# KiCad board KiBoxLite_H.kicad_pcb (continued)
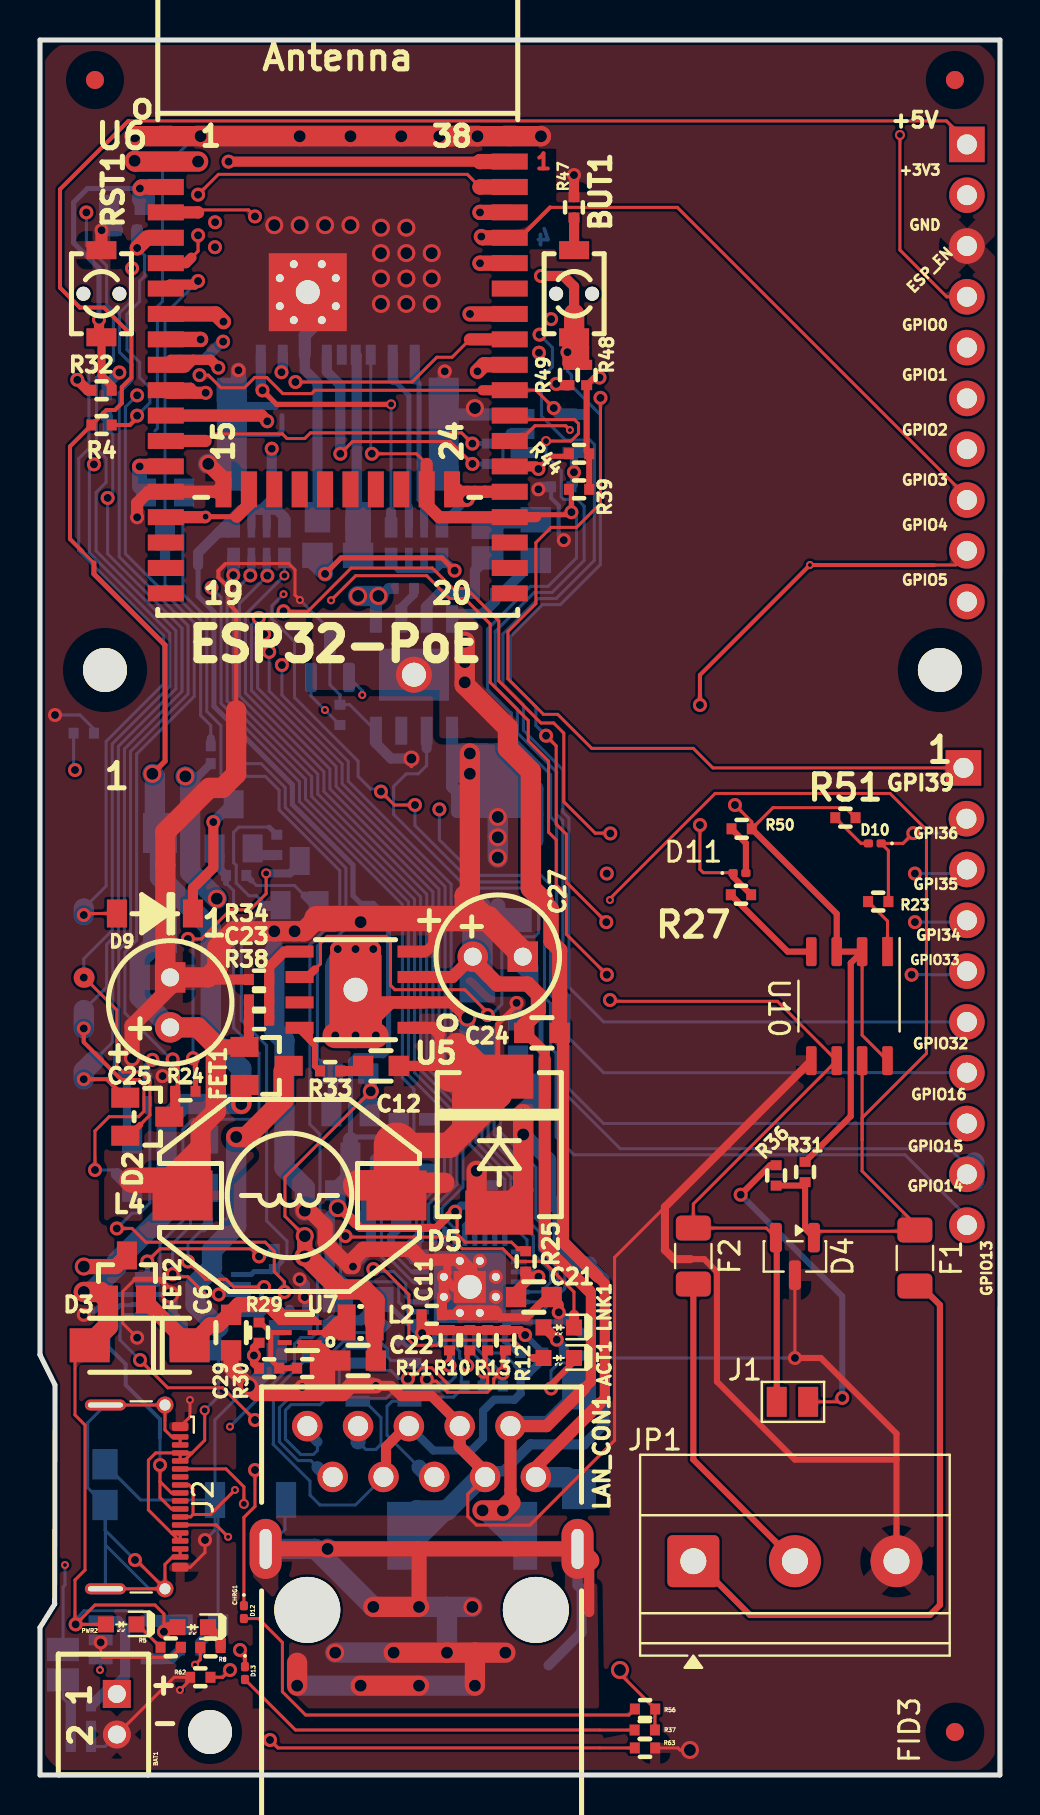
[diagram p0: board, top side]
## Routing (per net, layer and track width the routed paths; a pad name or vN(x,y) marks a point on that pad's centre or on a via; arc(x,y) is an arc through that point) (continued)
/GPIO12\PHY_PWR: length 2.7
  Top w0.762: v1(4.98,65.43) 4.99,65.43 U6.14
  Bottom w0.762: T1.1 4.98,64.44 v1(4.98,65.43)
/GPIO13\I2C-SDA: length 70.8
  Top w0.152: v1(18.75,48.5) 17.72,48.5 v1(17.05,49.17)
  Top w0.254: 9.84,62.92 v5(8.28,62.92)
  Top w0.61: 9.84,62.92 10.44,63.52 U6.16 ; v5(8.28,62.92) 8.25,62.89 U6.16
  In2.Cu w0.152: v5(8.28,62.92) 8.28,60.5 9.74,59.04 v4(12.18,59.04)
  Bottom w0.152: 46.77,27.49 43.26,31.01 26.7,31.01 25.81,31.9 25.81,36.09 25.53,36.37 25.53,38.57 25.23,38.88 25.23,44.17 24.75,44.65 21.57,44.65 18.75,47.47 v1(18.75,48.5) ; v4(12.18,59.04) 11.6,58.46 11.6,57.8 12.73,56.66 12.73,53.87 13.11,53.49 13.11,53.49 15.91,50.69 15.91,49.93 16.54,49.3 16.92,49.3 v1(17.05,49.17)
/GPIO14\HS2_CLK: length 80.1
  Top w0.152: 8.28,66.7 8.63,67.05 12.12,67.05 12.35,66.82 13.24,66.82 13.52,67.11 21.08,67.11 v1(21.62,66.57)
  Top w0.61: U6.13 8.28,66.7
  In2.Cu w0.152: v1(19.97,48.28) 19.97,48.41 20.73,49.17 21.88,49.17 22.38,49.68 22.38,52.47 23.07,53.16 23.07,65.25 21.75,66.57 v1(21.62,66.57)
  Bottom w0.152: v1(19.97,48.28) 19.97,46.76 21.75,44.98 25.05,44.98 25.53,44.5 25.53,39.01 25.83,38.7 25.83,36.58 26.12,36.29 26.12,34.21 29.01,31.31 45.49,31.31 46.77,30.03 46.77,30.58 46.72,30.63
  Bottom w0.254: R40.1 v1(21.62,66.57)
  Bottom w1.016: 46.72,30.63 46.72,29.71
/GPIO15\HS2_CMD: length 72.8
  Top w0.152: 19.33,65.55 18.83,66.06 v1(16.59,66.06)
  Top w0.254: 24.8,62.89 24.92,63.01 26.45,63.01 v1(26.57,63.14) 26.57,64.16 R39.2
  Top w0.508: 24.8,62.89 U6.23
  Top w0.61: 19.33,65.55 19.33,63.52 19.97,62.89 23.14,62.89 23.14,62.89 U6.23
  Bottom w0.152: v1(16.59,66.06) 16.54,66.11 16.54,71.01 ; v1(26.57,63.14) 26.83,62.89 26.83,60.86 25.41,59.43 24.52,59.43 22.38,57.3 22.38,54.28 23.56,53.1 23.56,51.98 25.53,50.01 25.53,47.9 25.84,47.59 25.84,39.14 26.14,38.83 26.14,36.73 26.45,36.42 26.45,34.31 28.18,32.57 46.77,32.57
/GPIO16\I2C-SCL: length 85.4
  Top w0.152: v5(25.3,66.7) 26.55,66.7 26.93,67.07 26.93,67.57 26.73,67.77 23.69,67.77 U6.27
  In1.Cu w0.152: v1(24.95,71.11) 24.6,70.76 10.65,70.76 9.74,71.67 v1(9.16,71.67)
  In2.Cu w0.152: v5(25.3,66.7) 25.3,67.64 24.95,68 v1(24.95,71.11)
  Bottom w0.152: v5(25.3,66.7) 25.3,65.97 26.07,65.21 26.07,63.9 26.19,63.78 26.87,63.78 27.21,63.44 27.21,60.73 25.61,59.13 24.72,59.13 22.76,57.17 22.76,54.4 23.87,53.3 23.87,52.11 25.84,50.14 25.84,48.03 26.14,47.72 26.14,39.26 26.45,38.96 26.45,36.85 28.18,35.11 46.77,35.11
  Bottom w0.508: v1(9.16,71.67) 9.1,71.67 8.19,70.76 R45.2
/GPIO17\EMAC_CLK_OUT_180: length 72.8
  Top w0.152: 22.13,69.24 13.75,69.24 13.58,69.07 12.14,69.07 11.34,69.87 10.73,69.87 10.22,69.36 9.05,69.36 8.42,69.99 v1(7.98,69.99) ; v1(25.69,68.35) 24.8,69.24 U6.28
  Top w0.508: 23.53,69.24 22.13,69.24
  In2.Cu w0.152: v1(8.58,59.37) 7.7,60.24 7.7,69.72 v1(7.98,69.99)
  Bottom w0.152: 18.95,24.71 18.59,24.71 ; U4.5 18.64,24.66 17.62,25.68 17.3,25.68 17.07,25.9 17.07,28.24 17.43,28.6 18.06,28.6 18.7,29.23 18.7,34.29 18.12,34.87 18.12,43.53 12.97,48.68 12.97,49.66 9.05,53.59 9.05,58.89 v1(8.58,59.37)
  Bottom w0.61: v1(25.69,68.35) 26.01,68.03 U8.4
/GPIO18\MDIO(RMII): length 61.9
  Top w0.152: v1(12.77,69.65) 18.6,69.65 19.84,70.89 20.61,70.89 21.5,71.78
  Top w0.61: U6.30 21.5,71.78
  In2.Cu w0.152: v5(12.22,59.97) 12.22,69.1 v1(12.77,69.65)
  Bottom w0.152: RM2.4.2 v5(12.22,59.97) 10.27,58.02 10.27,54.09 14.19,50.17 14.19,49.18 19.34,44.04 19.34,35.37 21.8,32.92 21.8,31.65 23.55,29.89 23.55,27.73 23.24,27.43
  Bottom w0.254: 23.24,27.43 U4.16
/GPIO19\EMAC_TXD0(RMII): length 84.6
  Top w0.762: v1(21.5,73.05) U6.31
  In1.Cu w0.152: v1(8.75,76.39) 9.43,77.07 9.43,78.25 9.81,78.64 18.38,78.64 21.24,75.78 21.24,75.08 21.75,74.57 21.75,73.62 21.75,73.62 21.75,73.43 21.5,73.18 v1(21.5,73.05)
  In2.Cu w0.152: v1(8.75,76.39) 8.75,74.63 6.48,72.36 6.48,59.31 9.64,56.16 v1(11.46,56.16)
  Bottom w0.152: v1(11.46,56.16) 11.46,54.2 15.11,50.55 15.11,49.56 20.25,44.42 20.25,35.76 22.71,33.3 22.71,32.03 24.48,30.26 24.48,27.64 24.97,27.15 24.97,26.26 25.89,25.35 25.89,24.48 25.06,23.66 24.4,23.66
  Bottom w0.254: 24.4,23.66 U4.22
/GPIO21\EMAC_TX_EN(RMII): length 82.2
  Top w0.762: U6.33 22.01,75.59 v1(22,75.59)
  In1.Cu w0.152: v1(22,75.59) 18.65,78.94 9.61,78.94 8.76,78.09 v1(8.76,77.64)
  In2.Cu w0.152: v1(8.76,77.64) 9.33,77.07 9.33,74.78 6.79,72.24 6.79,59.44 9.18,57.05 v1(11.21,57.05)
  Bottom w0.152: 24.41,24.16 25.05,24.16 25.53,24.63 25.53,25.19 24.67,26.06 24.67,26.95 24.17,27.44 24.17,30.14 22.41,31.9 22.41,33.17 19.95,35.63 19.95,44.29 14.8,49.44 14.8,50.43 10.88,54.35 10.88,56.72 v1(11.21,57.05)
  Bottom w0.254: 24.41,24.16 U4.21
/GPIO22\EMAC_TXD1(RMII): length 84.1
  Top w0.152: v1(7.91,79.02) 8.92,80.03 21.37,80.03 22,79.4
  Top w0.762: 22,79.4 22.01,79.4 U6.36
  In2.Cu w0.152: v1(12.1,55.5) 12.08,55.52 9.84,55.52 6.18,59.18 6.18,72.49 6.89,73.2 6.89,77.3 7.91,78.32 v1(7.91,79.02)
  Bottom w0.152: 24.39,23.16 25.07,23.16 26.24,24.33 26.24,25.5 25.28,26.46 25.28,27.35 24.8,27.84 24.8,30.38 23.02,32.15 23.02,33.42 20.56,35.88 20.56,44.54 15.41,49.69 15.41,50.68 12.1,54 v1(12.1,55.5)
  Bottom w0.254: 24.39,23.16 U4.23
/GPIO23\MDC(RMII): length 78.7
  Top w0.508: v1(9.43,80.67) 22,80.67
  Top w0.762: U6.37 22.01,80.67 22,80.67
  In2.Cu w0.152: v1(10.94,57.85) 8.8,57.85 7.09,59.56 7.09,72.11 9.63,74.65 9.63,77.58 9.43,77.78 v1(9.43,80.67)
  Bottom w0.152: v1(10.94,57.85) 10.58,57.49 10.58,54.22 14.5,50.3 14.5,49.31 19.64,44.16 19.64,35.5 22.1,33.04 22.1,31.77 23.86,30.02 23.86,27.25 24.35,26.76 24.35,26.37 24.29,26.31
  Bottom w0.254: U4.17 24.13,26.16 24.29,26.31
/GPIO25\EMAC_RXD0(RMII): length 55.4
  Top w0.508: 7.65,70.76 8.52,70.76 v1(8.92,70.37) ; 7.65,70.76 6.54,70.76 U6.10 6.42,70.38 7.27,70.38 7.65,70.76
  In2.Cu w0.152: v1(10.52,59.98) 10.52,68.76 v1(8.92,70.37)
  Bottom w0.152: v1(10.52,59.98) 9.66,59.12 9.66,53.84 13.58,49.92 13.58,48.93 18.73,43.78 18.73,35.12 21.15,32.7 21.15,29.4 20.1,28.34 20.1,27.96 20.74,27.31
  Bottom w0.254: U4.11 20.74,27.31
  Bottom w0.406: RM2.2.2 10.57,60.03 v1(10.52,59.98)
/GPIO26\EMAC_RXD1(RMII): length 52.9
  Top w0.508: U6.11 6.41,69.36 7.52,69.36 7.78,69.11
  Top w0.61: U6.11 6.42,69.11 v1(8.28,69.11)
  In2.Cu w0.152: v1(8.28,69.11) 9.66,67.73 v1(9.66,59.99)
  Bottom w0.152: 20.24,27.31 19.74,27.81 19.74,28.42 20.84,29.52 20.84,32.57 18.42,34.99 18.42,43.66 13.28,48.8 13.28,49.79 9.36,53.71 9.36,59.69 v1(9.66,59.99)
  Bottom w0.254: U4.10 20.24,27.31
  Bottom w0.61: RM2.1.2 9.66,60.84 v1(9.66,59.99)
/GPIO27\EMAC_RX_CRS_DV: length 53.7
  Top w0.61: v1(11.36,67.69) 11.08,67.97 U6.12
  In2.Cu w0.152: v1(11.36,67.69) 10.83,67.15 10.83,60.51 v1(11.37,59.97)
  Bottom w0.152: v1(11.37,59.97) 9.97,58.56 9.97,53.97 13.89,50.05 13.89,49.05 19.03,43.91 19.03,35.25 21.49,32.79 21.49,31.52 23.24,29.77 23.24,27.93 22.74,27.43
  Bottom w0.254: 22.74,27.43 U4.15
  Bottom w0.406: RM2.3.2 11.33,60 v1(11.37,59.97)
/GPIO32: length 79.6
  Top w0.762: v1(9.17,72.67) 8.79,73.05 U6.8
  In1.Cu w0.152: v1(24.98,72.02) 24.05,71.09 10.75,71.09 v1(9.17,72.67)
  Bottom w0.152: 46.77,37.65 28.18,37.65 26.45,39.39 26.45,47.85 26.14,48.15 26.14,50.26 24.17,52.23 24.17,53.51 23.14,54.54 23.14,57.05 24.92,58.82 25.81,58.82 27.72,60.73 27.72,66.53 27.5,66.75 26.27,66.75 25.08,67.94 25.08,69.86 25.62,70.41 25.62,71.38 v1(24.98,72.02)
/GPIO33: length 69.3
  Top w0.152: v4(14.56,58.74) 15.79,59.97 19.33,59.97 20.48,58.82 21.24,58.82 22.51,57.55 22.51,54.63 24.42,52.73 24.42,51.71 25.43,50.69 25.43,47.14 25.81,46.76 25.81,44.51 26.32,44 26.32,42.04 v1(28.34,40.01)
  Top w0.762: v1(8.03,71.78) 8.03,71.78 U6.9
  In1.Cu w0.152: v1(28.34,40.01) v1(43.58,40.01)
  In2.Cu w0.152: v4(14.56,58.74) 14.26,58.74 13,60 13,66.84 13.49,67.33 13.49,70 12.53,70.96 8.84,70.96 v1(8.03,71.78)
  Bottom w0.152: 46.77,40.19 46.59,40.01 v1(43.58,40.01)
  Bottom w0.508: v1(8.03,71.78) R45.1
/RD+: length 13.3
  Top w0.254: R11.2 v1(20.48,20.47)
  Bottom w0.152: 16.41,18.82 17.3,18.82 17.68,19.2 19.97,19.2 TVS3.1 20.31,19.45 20.76,19.91 20.76,20.18 v1(20.48,20.47) 20.68,20.67 20.68,21.03 20.24,21.46 20.24,21.47 ; 16.41,18.82 16.29,18.69 TVS1.1 ; 16.41,18.82 16.41,18.51 17.05,17.88 17.05,16.53 16.8,16.28 16.29,16.28 15.91,16.66
  Bottom w0.254: U4.31 20.24,21.47
  Bottom w0.762: LAN_CON1.3 15.91,16.66
/RD-: length 12.8
  Top w0.254: R10.2 21.37,21.1 v1(21.37,20.47)
  Bottom w0.152: 18.95,15.39 17.35,16.99 17.35,18.43 17.61,18.69 TVS1.5 18.68,18.89 20.68,18.89 TVS3.2 21.07,19.63 21.07,20.17 v1(21.37,20.47) 20.99,20.85 20.99,21.18 20.74,21.42 20.74,21.47
  Bottom w0.254: U4.30 20.74,21.47
  Bottom w0.762: 18.95,15.39 19.44,14.9 LAN_CON1.6
/TD+: length 25.5
  Top w0.152: v1(18.39,19.81) 18.55,19.81 19.1,20.36 19.58,20.36 20.5,19.44 22.25,19.44 22.38,19.58 22.38,19.96 v1(22.18,20.16)
  Top w0.254: v1(22.18,20.16) 22.26,20.24 22.26,21.1 R13.2
  Bottom w0.152: 16.41,20.72 16.41,20.34 16.54,20.22 17.56,20.22 17.94,19.83 18.37,19.83 v1(18.39,19.81) ; 16.41,20.72 16.92,20.72 17.07,20.87 17.07,21.16 16.87,21.36 15.27,21.36 14.97,21.05 14.97,19.48 14,18.51 12.55,18.51 12.27,18.23 12.27,16.79 13.04,16.02 13.67,16.02 13.87,16.23 13.87,16.66 ; 16.41,20.72 16.01,20.72 TVS1.3 ; 21.24,21.48 22.1,20.62 22.1,20.24 v1(22.18,20.16)
  Bottom w0.254: U4.29 21.24,21.48 ; v1(22.18,20.16) 22.13,20.11 TVS2.2
  Bottom w0.508: LAN_CON1.1 13.37,17.17 13.87,16.66
/TD-: length 24.9
  Top w0.152: v1(23.14,20.09) 22.97,20.09 22.69,19.81 22.69,19.45 22.37,19.14 20.38,19.14 19.82,19.69 19.44,19.69 v1(19.35,19.78)
  Top w0.254: R12.2 23.16,21.12 23.16,20.11 v1(23.14,20.09)
  Bottom w0.152: 21.74,21.49 21.74,21.42 23.08,20.09 v1(23.14,20.09) ; 13.87,15.39 13.54,15.72 12.91,15.72 11.97,16.66 11.97,18.36 12.43,18.82 13.87,18.82 14.66,19.61 14.66,21.18 15.14,21.66 17,21.66 17.38,21.28 17.38,20.9 17.56,20.72 18.34,20.72 TVS1.4 18.83,20.59 19.35,20.08 v1(19.35,19.78)
  Bottom w0.254: U4.28 21.74,21.49 ; TVS2.1 v1(23.14,20.09)
  Bottom w0.61: LAN_CON1.2 14.36,14.9 13.87,15.39
Spare1: length 90.2
  Top w0.508: 27.21,19.33 27.55,19.66 27.55,24.12 27.46,24.2 ; 25.24,35.79 25.24,36.15 24.29,37.11
  Top w0.61: 25.24,35.79 25.24,26.42 27.46,24.2 ; C27.1 20.62,39.9 U5.3 ; C24.1 24.29,37.11 ; 23.53,13.61 LAN_CON1.9 25.33,17.44 27.21,19.33
  Top w0.762: C27.1 21.64,40.77 22.86,39.55 24.38,39.55 24.92,39.01 24.92,38.2 24.21,37.49 C24.1
  Top w1.016: v2(22.13,13.23) v2(23.14,13.23) 23.53,13.61
  In1.Cu w0.762: 16.92,57.93 v2(16.92,58.95) ; 16.92,57.93 v2(15.91,58.95) ; 16.92,57.93 16.92,54.38 19.84,51.46 19.84,50 21.75,48.09 21.75,45.36 22.89,44.22 22.89,42.37 21.64,41.12 C27.1
  In1.Cu w1.016: v2(15.91,58.95) v2(16.92,58.95)
  Bottom w0.508: LAN_CON1.9 23.78,17.7 25.37,17.7 D8.1 ; U9.1 16.8,58.82 v2(16.92,58.95) 17.05,58.95 17.43,59.33 R52.1
  Bottom w0.61: R42.1 22.15,43.48
  Bottom w0.762: 22.15,43.48 21.49,43.48 21.49,41.06 C27.1 21.64,41.57 22.64,42.57 ; 22.76,12.59 24.03,11.32 ; 22.76,12.59 v2(22.13,13.23) 24.26,13.23 R7.1 23.63,12.59 22.76,12.59 ; R42.1 22.89,43.46
  Bottom w1.016: 22,39.39 21.64,39.75 C27.1 ; R28.2 22.13,39.65 22.13,41.88 22.89,42.64 R42.1 ; v2(15.91,58.95) v2(16.92,58.95)
Spare2: length 56.5
  Top w0.508: 27.97,18.56 28.25,18.84 28.25,24.55 27.89,24.91
  Top w0.61: 27.89,24.91 26.15,26.65 26.15,36.94 C24.2 ; 27.97,18.56 24.8,15.39 LAN_CON1.10
  Top w0.762: C24.2 25.99,41.25 25.56,41.68 25.56,43.33 25.18,43.71
  Top w1.016: v2(21.24,56.66) v2(21.24,55.65) v2(21.24,54.63) 21.24,54.5 23.4,52.35 23.4,51.33 24.54,50.19 24.54,44.34 25.18,43.71
  Bottom w0.508: U9.4 20.85,58.06 22.13,58.06 22.76,58.7 R53.2 23.08,59.08 24.73,60.73 R54.1 ; D8.2 26.34,14.9 LAN_CON1.10
  Bottom w1.016: 24.8,14.88 26.36,14.88 D8.2
Net-(ACT1-A): length 15.3
  Top w0.152: v1(16.67,25.29) 17.18,25.29 18.45,24.03 18.45,21.74 18.7,21.49 19.84,21.49 20.1,21.74 23.68,21.74 24.57,20.85 24.67,20.85
  Top w0.406: 25.18,20.85 24.67,20.85
  Bottom w0.152: 18.56,23.66 18.29,23.92 18.29,24.56 17.68,25.17 16.8,25.17 v1(16.67,25.29)
  Bottom w0.254: U4.3 18.56,23.66
Net-(ACT1-K): length 4.9
  Top w0.305: v1(25.56,19.33) 25.56,19.52 26.7,20.66 ACT1.1
  Bottom w0.152: v1(25.56,19.33) 25.56,20.22 25.94,20.6 26.83,20.6 26.95,20.72
  Bottom w0.254: R15.1 26.95,20.72
Net-(BAT_SENS_E1-Pad2): length 3.5
  Bottom w0.152: R17.2 1.15,3.84 BAT_SENS_E1.2
  Bottom w0.508: R17.2 R22.1 C19.1
Net-(BUT1-Pad2): length 1.6
  Top w0.508: BUT1.2 26.71,77.86 R47.1
Net-(C10-Pad2): length 22.8
  Bottom w0.152: 14.13,35.58 13.87,35.84 13.87,41.45 14.35,41.92 14.88,41.92 15.3,42.34 15.3,45.35 12.26,48.38 12.26,49.37 11.06,50.57 10.06,50.57
  Bottom w0.406: C10.2 14.13,35.58
  Bottom w0.508: 10.06,50.57 R2.2 R3.1 ; FET3.1 14.64,33.19 C10.2
Net-(C12-Pad2): length 1.2
  Top w0.508: R33.2 15.91,35.2 C12.2
Net-(C26-Pad1): length 6.3
  Bottom w0.406: R43.1 24.16,35.96 24.21,35.92 24.21,35.5 23.84,35.14 ; R43.1 23.6,35.66 23.6,34.9 C26.1 23.84,35.14 ; R43.1 23.91,35.2 23.84,35.14 ; R43.1 23.91,35.84 23.02,34.95 23.02,34.57
Net-(CHRG1-K): length 1.3
  Top w0.508: R8.1 9.03,6.76 CHRG1.1
Net-(Class4_EN1-Pad1): length 2.6
  Bottom w0.61: Class4_EN1.1 22.64,62.63 24.67,62.63 R54.2
Net-(D3-K): length 11.7
  Top w0.254: 13.37,22.88 13.67,22.88 13.92,22.63 13.92,22.62 U7.3 ; 11.84,23.14 12.23,22.74 U7.4
  Top w0.762: 5.3,23.77 5.3,23.67 D3.1 8.5,22.5 8.92,22.5 9.94,23.52 11.46,23.52 12.1,22.88 13.37,22.88
Net-(D4-A1): length 83
  Top w0.15: 33.76,49.08 28.5,43.82 v4(28.5,43.75)
  Top w0.152: 41.11,31.75 41.11,30.19 44.12,27.19 39.02,27.19 D4.1 ; 41.11,31.75 41.11,32.86 44.33,36.08 44.33,47.25 42.5,49.08 33.76,49.08 ; 41.11,31.75 U10.7
  Top w0.305: R36.1 38.09,29.47 R31.2 38.26,27.31 D4.1
  In2.Cu w0.152: v4(28.5,43.75) 16.06,43.75 13.11,46.71 13.11,53.11 14,54 v4(16.11,54)
  Bottom w0.152: D4#2.1 16.11,54.21 v4(16.11,54)
Net-(D4-A2): length 64
  Top w0.152: D4.2 36.32,27.35 F2.1 32.67,28.55 U10.6 36.88,38.68 28.57,38.68 v1(28.5,38.75)
  Top w0.305: D4.2 36.84,26.83 JP1.1
  In1.Cu w0.152: v4(14.25,53.25) 14.25,52.5 15,51.75 15,46.98 20.65,41.33 20.65,40.51 21.23,39.93 21.69,39.93 23.59,38.03 27.78,38.03 v1(28.5,38.75)
  Bottom w0.152: R35.1 v4(14.25,53.25) 13.55,53.95 D4#2.2
Net-(D5-K): length 34.7
  Top w0.254: 23.4,35.35 22.89,35.86 22.89,37.55 23.83,38.49 v1(23.83,38.6)
  Top w0.508: 19.97,35.46 19.97,37.07 19.95,37.09 ; 19.97,35.46 20.51,34.92 ; 19.97,35.46 C12.1 ; 22.41,34.92 D5.1 23.4,35.35
  Top w0.61: 19.95,37.09 19.68,37.36 U5.1
  Top w1.016: 20.22,29.61 18.46,29.61 L4.1 17.32,29.49
  Top w1.27: 21.24,32.28 21.24,33.93 22.23,34.92 D5.1 22.97,34.01 21.24,32.28 ; 21.24,32.28 20.44,31.48 17.83,31.48 ; 22.41,34.92 20.86,36.47
  Top w1.524: 17.32,29.49 15.91,29.49 ; D5.1 20.51,34.92
  Top w2.286: L4.1 17.83,31.48
  Bottom w0.406: R43.2 23.83,37.82
  Bottom w0.508: 23.83,37.82 v1(23.83,38.6)
Net-(D9-K): length 6.4
  Top w0.508: D9.1 7.65,44.34 8.67,45.36 v1(8.67,47.65)
  Bottom w0.508: Q2.3 9.56,48.54 v1(8.67,47.65)
Net-(D10-A): length 2.2
  Top w0.152: D10.2 41.05,46.58 R51.1
Net-(D11-A): length 2.5
  Top w0.305: D11.2 35.3,46.59 R50.1
Net-(D12-A): length 23.1
  Top w0.152: D12.2 10.93,7.82 12.12,6.63 12.12,4.16 13.28,3 29.45,3 R56.2
Net-(D12-K): length 27.8
  Top w0.152: D12.1 10.2,12.88 10.75,13.43 v1(10.75,15.25) ; v1(8.94,24.03) 8.29,24.03 7.4,24.91 6.76,24.91 v1(6.64,25.04)
  In1.Cu w0.152: v1(8.94,24.03) 8.94,18.75 10.75,16.93 v1(10.75,15.25)
  Bottom w0.152: v1(6.64,25.04) 6.64,26.56 7.52,27.45 7.52,30.63 7.91,31.01
  Bottom w0.254: v1(8.94,24.03) U1.8
  Bottom w0.508: 7.91,31.01 8.41,31.51 D6.1
Net-(D13-A): length 20.5
  Top w0.15: 27.98,2.25 R37.2
  Top w0.152: 27.98,2.25 12.78,2.25 D13.2
Net-(D13-K): length 31.7
  Top w0.152: v1(11.21,24.4) 9.69,24.4 9.3,24.79 8.29,24.79 v1(7.4,25.68)
  Top w0.203: D13.1 10.25,6 v1(10,6.25)
  In1.Cu w0.152: v1(7.4,25.68) 7.4,19.75 8.92,18.23 8.92,7.33 v1(10,6.25)
  Bottom w0.152: v1(7.4,25.68) 7.4,26.56 8.16,27.33
  Bottom w0.254: U1.9 10.83,23.53 11.08,23.77 11.08,24.27 v1(11.21,24.4)
  Bottom w0.406: 8.16,27.33 R18.2 8.41,27.59 D7.2
Net-(J1-Pin_1): length 29.7
  Top w0.305: 44.12,24.39 45,23.5 45,8.5 44.5,8 35.5,8 33.05,10.45 33.05,10.69
Net-(J1-Pin_2): length 16
  Top w0.305: J1.2 32.67,15.77 F2.2
Net-(J2-CC1): length 35.7
  Top w0.15: R63.1 28,1.35
  Top w0.152: 28,1.35 11.9,1.35 v1(11.5,1.75) ; J2.A5 9.3,15.31 10.2,14.41 v5(10.2,13.55)
  In1.Cu w0.152: v5(10.2,13.55) 9.83,13.19 9.83,7.23 11.75,5.32 11.75,2 v1(11.5,1.75)
Net-(J2-CC2): length 10.5
  Top w0.152: v1(9.5,5.25) 9.14,4.89 R62.1 ; v4(9.41,11.91) 8.81,12.5 J2.B5
  In2.Cu w0.203: v4(9.41,11.91) 9.4,11.9 9.4,5.35 v1(9.5,5.25)
Net-(J2-SHIELD): length 30.3
  Top w0.152: J2.B12 J2.A1 6.59,16.91 6.25,17.25 J2.SH J2.SH ; J2.SH J2.SH ; J2.SH 6.25,10.53 6.62,10.91 J2.B1 J2.A12 ; J2.SH 4.81,10.75 v1(4.75,10.75)
  Bottom w0.152: J2.SH 5.46,9.31 3.27,11.5 ; J2.SH 2.39,17.62 2.39,14.36 L7.1 ; 3.27,11.5 3.27,13.48 L7.1 ; 3.27,11.5 J2.SH ; L7.1 3.25,12.25 v1(4.75,10.75)
Net-(JP1-B): length 16.4
  Top w0.152: v1(40.12,18.85) 39.92,18.66 JP1.2
  Top w0.305: R36.2 36.51,30.49 v1(35.04,29.01)
  Bottom w0.305: v1(40.12,18.85) 40.12,23.93 v1(35.04,29.01)
Net-(LAN_CON1-RCT): length 47.5
  Top w0.406: v1(24.26,22) 24.01,22.25 R12.1 R13.1 R10.1 R11.1
  Top w0.508: C11.1 19.08,22.12 v1(19.11,22.09) 19.26,22.25 R11.1 ; LAN_CON1.5 18.34,17.44 17.3,16.41 17.3,15.03 LAN_CON1.4
  Bottom w0.152: C13.1 11.66,19.15 11.66,16.53 13.5,14.7 13.5,14 14,13.5 15.77,13.5 LAN_CON1.4 ; 23.78,20.47 23.14,21.1 22.64,21.1 22.24,21.5
  Bottom w0.254: U4.1 18.29,22.66 ; U4.1 18.95,22.57 18.95,22.25 v1(19.11,22.09) 18.85,22.09 18.7,22.25 ; U4.1 18.86,22.66 18.7,22.5 18.7,22.25 ; 18.29,22.66 17.18,23.77 L1.2 17.05,23.77 ; 18.29,22.66 18.7,22.25 ; 23.78,20.47 24.03,20.22 C15.1 ; U4.27 22.24,21.5
  Bottom w0.305: 25.18,20.82 R14.1 25.16,21.1 v1(24.26,22)
  Bottom w0.406: 25.18,20.82 24.44,20.09 C15.1 24.03,19.07 23.73,18.77 22.71,18.77 22.15,18.21 22.15,16.81 21.57,16.23 19.66,16.23 LAN_CON1.5 ; 16.8,23.77 16.8,23.71 ; 13.75,21.1 13.75,21.41 14.38,22.04 C16.1
  Bottom w0.508: C16.1 14.61,22.73 16.04,22.73 16.8,23.49 16.8,23.71 ; L1.2 16.8,23.77
Net-(LAN_CON1-Shield): length 67.6
  Top w0.508: 27.46,10.72 27.46,8.15
  Top w0.762: LAN_CON1.0 18.93,11.3 ; 18.93,11.3 v2(14.38,11.3) LAN_CON1.0 ; 18.93,11.3 18.95,11.28 v2(18.95,8.4)
  Top w1.016: v2(16.67,8.4) v2(18.95,8.4) ; v2(17.68,6.12) v2(20.35,6.12) 21.75,6.12 ; 21.75,6.12 v2(23.27,6.12) ; 21.75,6.12 v2(21.75,4.47) ; v2(18.95,4.47) v2(16.03,4.47) ; v2(12.86,4.47) 12.86,5.61 ; LAN_CON1.0 27.46,10.72
  Bottom w0.152: LAN_CON1.0 12.25,12.27 12.25,13.74
  Bottom w0.508: 25.43,5.48 27.08,7.13 27.08,9.29 26.88,9.49 LAN_CON1.0
  Bottom w1.016: 20.35,8.4 v2(18.95,8.4) v2(16.67,8.4) 13.77,11.3 LAN_CON1.0 ; 20.35,8.4 v2(21.62,8.4) ; 20.35,8.4 v2(20.35,6.12) ; v2(14.38,11.3) 14.39,11.31 ; v2(17.68,6.12) v2(14.76,6.12) ; v2(21.75,4.47) v2(18.95,4.47) ; v2(16.03,4.47) v2(12.86,4.47)
Net-(LNK1-A): length 1.7
  Top w0.508: 25.18,22.37 25.23,22.37 v1(25.84,21.77)
  Bottom w0.406: v1(25.84,21.77) 26.19,21.41 R14.2
Net-(LNK1-K): length 21.7
  Top w0.152: 26.7,23.01 26.7,24.15 25.18,25.68 23.78,25.68 23.14,26.31 21.11,26.31 20.53,26.9 15.32,26.9 v1(15.27,26.95)
  Top w0.508: LNK1.1 26.7,23.01
  Bottom w0.152: 18.43,23.16 17.94,23.64 17.94,24.48 17.76,24.66 15.4,24.66 15.03,25.03 15.03,26.7 v1(15.27,26.95)
  Bottom w0.254: U4.2 18.43,23.16
Net-(MICRO_SD1-CD/DAT3/CS): length 9
  Bottom w0.254: 18.45,63.39 18.45,68.98 17.68,69.75
  Bottom w0.406: RM3.2.1 18.45,63.39
  Bottom w0.508: 17.68,69.75 17.64,69.79 17.64,71.01
Net-(MICRO_SD1-CLK/SCLK): length 13.3
  Top w0.152: v1(15.02,66.06) 15.63,66.67 20.5,66.67 v1(21.62,65.55)
  Bottom w0.254: R40.2 v1(21.62,65.55)
  Bottom w0.508: 14.34,71.01 14.34,70.17 15.02,69.49 v1(15.02,66.06)
Net-(MICRO_SD1-DAT0/DO): length 11.1
  In1.Cu w0.152: v1(3.97,70.13) 7.27,70.13 8.16,71.02 9.96,71.02 10.84,70.14 v1(12.08,70.14)
  Bottom w0.508: 12.14,71.01 12.14,70.2 v1(12.08,70.14) ; R46.2 3.33,69.49 v1(3.97,70.13)
Net-(MICRO_SD1-DAT1/RES): length 14.7
  Top w0.254: v1(11.13,69.23) 11.83,68.53 v5(17.56,68.53)
  Bottom w0.152: 17.56,63.14 v5(17.56,68.53)
  Bottom w0.508: v1(11.13,69.23) 11.04,69.32 11.04,71.01 ; RM3.1.1 17.56,63.14
Net-(MICRO_SD1-DAT2/RES): length 8.8
  Bottom w0.254: 18.74,69.78 18.95,69.57 18.95,63.78 19.21,63.52
  Bottom w0.406: RM3.3.1 19.21,63.52
  Bottom w0.508: 18.74,71.01 18.74,69.78
Net-(MICRO_SD1-VDD): length 10
  Bottom w0.508: 15.84,62.94 15.84,70.97 15.79,71.01
  Bottom w1.27: C3.1 L5.2
Net-(PWR2-K): length 1.7
  Top w0.152: PWR2.1 4.88,7.53 R5.1
Net-(Q2-B): length 2.5
  Bottom w0.254: 10.7,45.87 11.72,45.87 R20.2
  Bottom w0.305: R20.2 11.74,46.1 10.86,46.1 Q2.1
Net-(Q2-E): length 28.8
  Bottom w0.152: 9.3,44.6 9.68,44.22 9.68,37.36 10.95,36.09 10.95,33.04 10.7,32.79 7.65,32.79 7.14,32.28 7.14,27.71 6,26.56 6,24.66 5.86,24.53
  Bottom w0.254: U1.4 5.86,24.53
  Bottom w0.305: Q2.2 9.07,45.98 9.07,45.21 R21.1 9.3,44.6
  Bottom w0.406: R21.1 8.54,45.74 8.54,46.25
Net-(Q3-B): length 5.2
  Bottom w0.152: 13.24,43.96 12.73,44.47 10.83,44.47 10.57,44.73
  Bottom w0.305: R21.2 10.57,44.73
  Bottom w0.406: 13.87,43.58 13.62,43.58 13.24,43.96 13.59,43.96 14.06,43.49
Net-(Q3-C): length 15.7
  Top w0.152: v5(11.31,45.08) 11.31,44.07 10.5,43.26 9.52,43.26 8.07,41.81 v1(7.4,41.81)
  Top w0.254: v1(7.65,35.84) 7.78,35.71 R24.1
  Bottom w0.152: v1(7.4,41.81) 7.65,41.55 v1(7.65,35.84)
  Bottom w0.406: 13.11,45.7 12.49,45.08 v5(11.31,45.08)
Net-(Q3-E): length 29.4
  Bottom w0.152: 12.1,25.68 12.35,25.93 12.35,26.69 11.33,27.71 11.33,36.47 10.06,37.74 10.06,42.19 11.33,43.46 10.83,43.96 10.44,43.96 9.81,44.6 9.81,45.49 9.68,45.61 9.68,47.14 9.94,47.39 11.46,47.39
  Bottom w0.254: U1.6 10.56,25.03 10.7,25.17 11.59,25.17 R55.1 12.1,25.68 ; R20.1 11.46,47.39
  Bottom w0.508: Q3.2 12,43.46 11.33,43.46
Net-(R28-Pad1): length 30
  Top w0.508: 16.41,38.63 U5.9
  Top w0.61: v2(21.37,37.87) 20.61,38.63 U5.2 ; v1(16.8,36.98) 16.8,37.87 17.56,38.63 U5.2 ; U5.2 16.41,38.63
  Top w0.762: v1(15.78,41.3) U5.9 ; v1(15.78,41.3) v1(14.89,41.3) 14.89,40.56 ; v1(15.78,41.3) v1(16.67,41.3) 16.67,40.79
  Top w1.27: v1(14.76,36.98) v1(16.8,36.98) ; U5.9 v1(15.78,36.98)
  In1.Cu w3.048: U5.9 17.56,39.26
  Bottom w0.762: v2(21.37,37.87) 21.37,37.23 22,36.6 ; 15.02,40.41 15.02,40.53 v1(15.78,41.3)
  Bottom w1.27: 16.29,37.49 16.29,39.65 16.16,39.65 U5.9 16.29,39.77 16.29,40.28
  Bottom w1.524: 15.02,40.41 15.02,37.49
Net-(T1-C): length 12.8
  Bottom w0.152: 6.25,61.87 6.25,59.51 8.02,57.75 8.02,57.57 8.03,57.55 8.03,52.98 8.54,52.47 8.54,51.84
  Bottom w0.406: R3.2 8.54,51.84
  Bottom w0.508: T1.3 6.25,60.48 6.25,60.47
Net-(U1-CTS#): length 7.6
  Top w0.152: v1(5.36,25.68) 6,26.31 10.57,26.31 v1(10.95,25.93)
  Bottom w0.254: U1.5 5.36,25.14 v1(5.36,25.68) ; v1(10.95,25.93) 11.21,25.93 11.59,26.31 R55.2
Net-(U1-V3): length 20.6
  Top w0.152: v1(3.84,27.33) 4.6,27.33 5.29,26.64 11.26,26.64 11.72,26.18 11.72,25.17 12.22,24.66 v1(12.22,24.15)
  Bottom w0.152: v1(3.84,27.33) 4.6,28.09 4.98,28.09 5.49,28.6 5.49,33.04 5.36,33.17
  Bottom w0.254: U1.10 11.1,23.03 11.59,23.52 C8.1 12.22,24.03 v1(12.22,24.15)
  Bottom w0.305: R19.1 5.36,33.17
Net-(U3-CHRGb): length 6.6
  Top w0.152: v4(7.75,5.51) 8.02,5.78 R8.2
  In1.Cu w0.152: v4(7.75,5.51) 7.74,5.5 7.25,5.5 6.75,5 3.25,5 v4(3,5.25)
  Bottom w0.152: v4(3,5.25) 3.03,5.28 U3.1
Net-(U3-PROG): length 1.6
  Bottom w0.508: U3.5 6.56,5.81 R6.1
Net-(U3-VBAT): length 35.3
  Top w0.762: v2(2.19,25.42) 3.79,25.42 FET2.3
  In2.Cu w0.254: 5.75,12.09 5.75,10.5 5.09,9.84 5.09,7.58
  In2.Cu w0.508: 4.98,17.17 5,17.18 5,19 6.64,20.63 6.64,22.37
  In2.Cu w0.762: 6.64,22.37 3.59,25.42 v2(2.19,25.42) ; 4.98,17.17 4.98,12.85 5.75,12.09 ; 4.17,5.33 3.84,5 3.84,4.07 ; 4.17,5.33 5.09,6.25 5.09,7.58 ; 4.17,5.33 3.8,4.96 3.8,4.48
  Bottom w0.508: U3.3 3.89,7.71 4.26,7.34 4.26,4.94 3.8,4.48 3.58,4.48 R17.1
Net-(U4-NRST): length 3.3
  Top w0.508: 24.35,24.72 24.29,24.79 R25.1 ; 24.35,24.72 23.81,24.18 C21.2 ; 24.35,24.72 24.54,24.91 v1(24.92,24.91)
  Bottom w0.254: U4.19 24.68,25.16 v1(24.92,24.91)
Net-(U4-RBIAS): length 2.3
  Bottom w0.152: 18.32,21.49 19.59,21.49
  Bottom w0.254: U4.32 19.74,21.64 19.59,21.49 ; 18.32,21.49 18.06,21.74 R26.1
Net-(U4-RXCLK/PHYAD1): length 5.6
  Bottom w0.152: 18.59,25.66 18.32,25.93 18.32,26.56 18.83,27.07 18.83,28.85 19.46,29.49 19.46,29.74
  Bottom w0.254: 18.59,25.66 U4.7
  Bottom w0.305: RM1.1.2 19.46,29.74
Net-(U4-RXD2/RMIISEL): length 6.3
  Bottom w0.152: 20.1,31.65 20.54,31.2 20.54,29.65 19.44,28.55 19.44,27.61 19.74,27.3
  Bottom w0.254: RM1.3.2 19.84,31.9 20.1,31.65 ; U4.9 19.74,27.3
Net-(U4-RXD3/PHYAD2): length 6.2
  Bottom w0.152: 18.95,26.56 19.13,26.74 19.13,28.68 20.22,29.77 20.22,30.88 19.97,31.14
  Bottom w0.254: 18.95,26.56 18.95,26.25 U4.8
  Bottom w0.305: 19.97,31.14 RM1.2.2
Net-(U4-RXER/RXD4/PHYAD0): length 2
  Bottom w0.254: R41.2 22.51,28.34 22.51,28.09 21.74,27.32 U4.13
Net-(U4-VDDCR): length 3.6
  Bottom w0.152: C18.1 17.56,26.18 18.58,25.16 18.65,25.16
  Bottom w0.254: U4.6 18.65,25.16
  Bottom w0.406: C17.1 18.06,27.45 17.56,26.95 C18.1
Net-(U5-BS): length 3.6
  Top w0.305: R33.1 13.75,35.46 13.75,36.47 13.49,36.72 ; 13.49,36.72 12.98,37.24 U5.8 13.21,37.36 13.49,37.08 13.49,36.72
Net-(U5-EN): length 35.9
  Top w0.152: v1(22.38,38) 22.38,38.12 21.24,39.26 17.75,39.26 17.53,39.49 17.53,41.71 17.3,41.93 14.36,41.93 14.03,41.6 14.03,40.56 13.75,40.28
  Top w0.406: 13.75,40.28 13.37,39.9 U5.6
  Bottom w0.152: v1(22.38,38) 22.55,38 23.09,38.54 23.09,41.78 23.23,41.91 24.72,41.91 24.92,42.11 24.92,43.84 24.42,44.34 21.37,44.34 17.68,48.03 17.68,49.42 18.32,50.06 18.92,50.06 19.33,50.47 19.33,51.33
  Bottom w0.508: 19.33,52.21 19.33,51.33
Net-(U5-FB): length 4.5
  Top w0.508: U5.5 12.22,41.17 11.46,40.41 R34.1 C23.2 R38.2
Net-(U7-FB): length 4.3
  Top w0.254: C29.1 11.54,20.77 11.54,22.12 ; R29.1 11.03,22.63 11.54,22.12 ; 11.54,22.12 U7.5
  Top w0.305: R30.1 C29.1
Net-(U7-SW): length 3.3
  Top w0.254: U7.2 14.38,22.12
  Top w0.61: 14.89,22.63 L2.1 15.33,22.12 14.38,22.12 14.89,22.63
Net-(U9-CLS): length 5.3
  Bottom w0.508: 19.33,57.81 19.33,58.44 19.97,59.08 R53.1 21.75,60.22 Class4_EN1.2
Net-(U9-DEN): length 1.8
  Bottom w0.406: R52.2 18.7,59.03 18.06,58.39 U9.2
Net-(U10-DI): length 5.2
  Top w0.305: U10.4 37.39,41.17 R27.2
Net-(U10-RO): length 2.9
  Top w0.152: U10.1 42.38,42.7 R23.2

## Copper pours and planes (outline as drawn; the poured copper is in the pictures)
+3.3V on In2.Cu: 60.61,97.75 -10.51,97.75 -10.51,-11 60.61,-11
+5VP on Top: 3.21,27.71 3.21,31.65 4.86,31.65 7.02,33.8 10.57,33.8 10.7,30.88 9.43,29.61 9.43,27.71
GND on Top: 24.8,27.96 21.11,27.96 21.11,30.76 24.03,33.68 24.8,33.68
GND on Top, Bottom, In1.Cu, In2.Cu: 52.99,-3 -2.89,-3 -2.89,89.75 52.99,89.75
GND on Bottom: 55.53,-5.75 -5.43,-5.75 -5.43,92 55.53,92
GND on In1.Cu: -7.97,-8 58.07,-8 58.07,95.25 -7.97,95.25
GND on In2.Cu: 1.17,3.32 1.17,25.8 3.59,25.8 6.76,22.75 6.76,19.07 5.24,17.55 5.24,12.47 6.89,12.47 8.54,14.12 9.56,14.12 9.56,3.32
Spare2 on Top: 23.91,51.84 23.91,52.98 22.38,54.5 22.38,59.97 15.53,59.97 13.62,58.06 13.62,54.25 19.97,54.25 19.97,51.84
Spare2 on Bottom: 22.13,58.31 22.13,53.11 13.75,53.23 13.75,58.44
Spare2 on In1.Cu: 21.75,52.6 21.75,59.71 17.43,59.71 17.43,53.87 19.33,51.97 20.99,51.97
Spare2 on In2.Cu: 22,59.46 20.48,59.46 17.56,56.54 17.56,52.98 22,52.98
Net-(D5-K) on Top: 9.81,26.56 12.73,26.56 12.73,28.47 23.4,28.47 24.54,29.61 24.54,39.9 18.95,39.9 18.95,36.6 17.56,36.6 9.81,29.36
Net-(LAN_CON1-Shield) on Top: 27.96,3.32 11.07,3.32 11.07,9.48 10.44,10.12 10.31,11.71 27.83,11.71
Net-(LAN_CON1-Shield) on Bottom: 27.97,3.32 11.84,3.32 11.84,9.04 11.21,9.67 11.21,12.21 14.89,12.21 14.89,10.82 16.8,8.91 25.94,8.91 25.94,12.21 27.97,12.21
Net-(LAN_CON1-Shield) on In1.Cu: 27.97,3.35 11.08,3.35 11.08,9.51 10.44,10.15 10.44,11.74 27.97,11.74
Net-(LAN_CON1-Shield) on In2.Cu: 27.97,3.33 11.08,3.33 11.08,9.49 10.44,10.12 10.44,11.71 27.97,11.71
Net-(R28-Pad1) on Bottom: 17.56,35.58 17.56,41.81 16.03,43.33 15.27,43.33 12.98,41.04 12.98,35.58
Net-(R28-Pad1) on In1.Cu: 5.75,36.34 7.52,36.34 7.52,50.44 7.78,50.44 7.78,59.71 16.92,59.71 16.92,54.25 19.46,51.71 19.84,51.08 20.48,49.17 21.24,48.41 21.24,46.12 23.02,44.34 23.02,39.26 23.53,38.76 23.53,32.66 21.11,30.25 21.11,28.34 6.64,28.34 5.75,29.23

Small or netless copper shapes (teardrops, artwork), in the pictures only: 224 on Top, 183 on Bottom, 76 on In1.Cu, 60 on In2.Cu

## Text on the board
Bottom: 4
B.Silkscreen: 1 | (C) 2025 | + | - | o | Compliant | RoHS | Rev.M | www.kiconex.com
User.Comments: 4 Layer PCB, 8Errors , 31Warnings / Dimensions: 28x80mm
Top: 1
F.Silkscreen: GPIO33 | +3V3 | GND | GPIO0 | GPIO1 | GPIO2 | GPIO3 | GPIO4 | GPIO5 | GPIO14 | GPIO15 | GPI36 | GPI35 | GPI34 | GPIO16 | GPIO32 | ESP_EN | GPIO13 | +5V | GPI39 | + | - | 1 | ESP32-PoE
In1.Cu: 2
In2.Cu: 3
